# Altium PCB PCB1.PcbDoc (part 1 of 2)
Units mil, origin at the board's own origin, x right, y up, seen from the top; angles counter-clockwise.
Board outline 5905.51 x 3937.01 mil, 4 copper layers (Top Layer, Mid-Layer 1, Mid-Layer 2, Bottom Layer); 107 components, 61 nets, 305 pads, 217 vias.
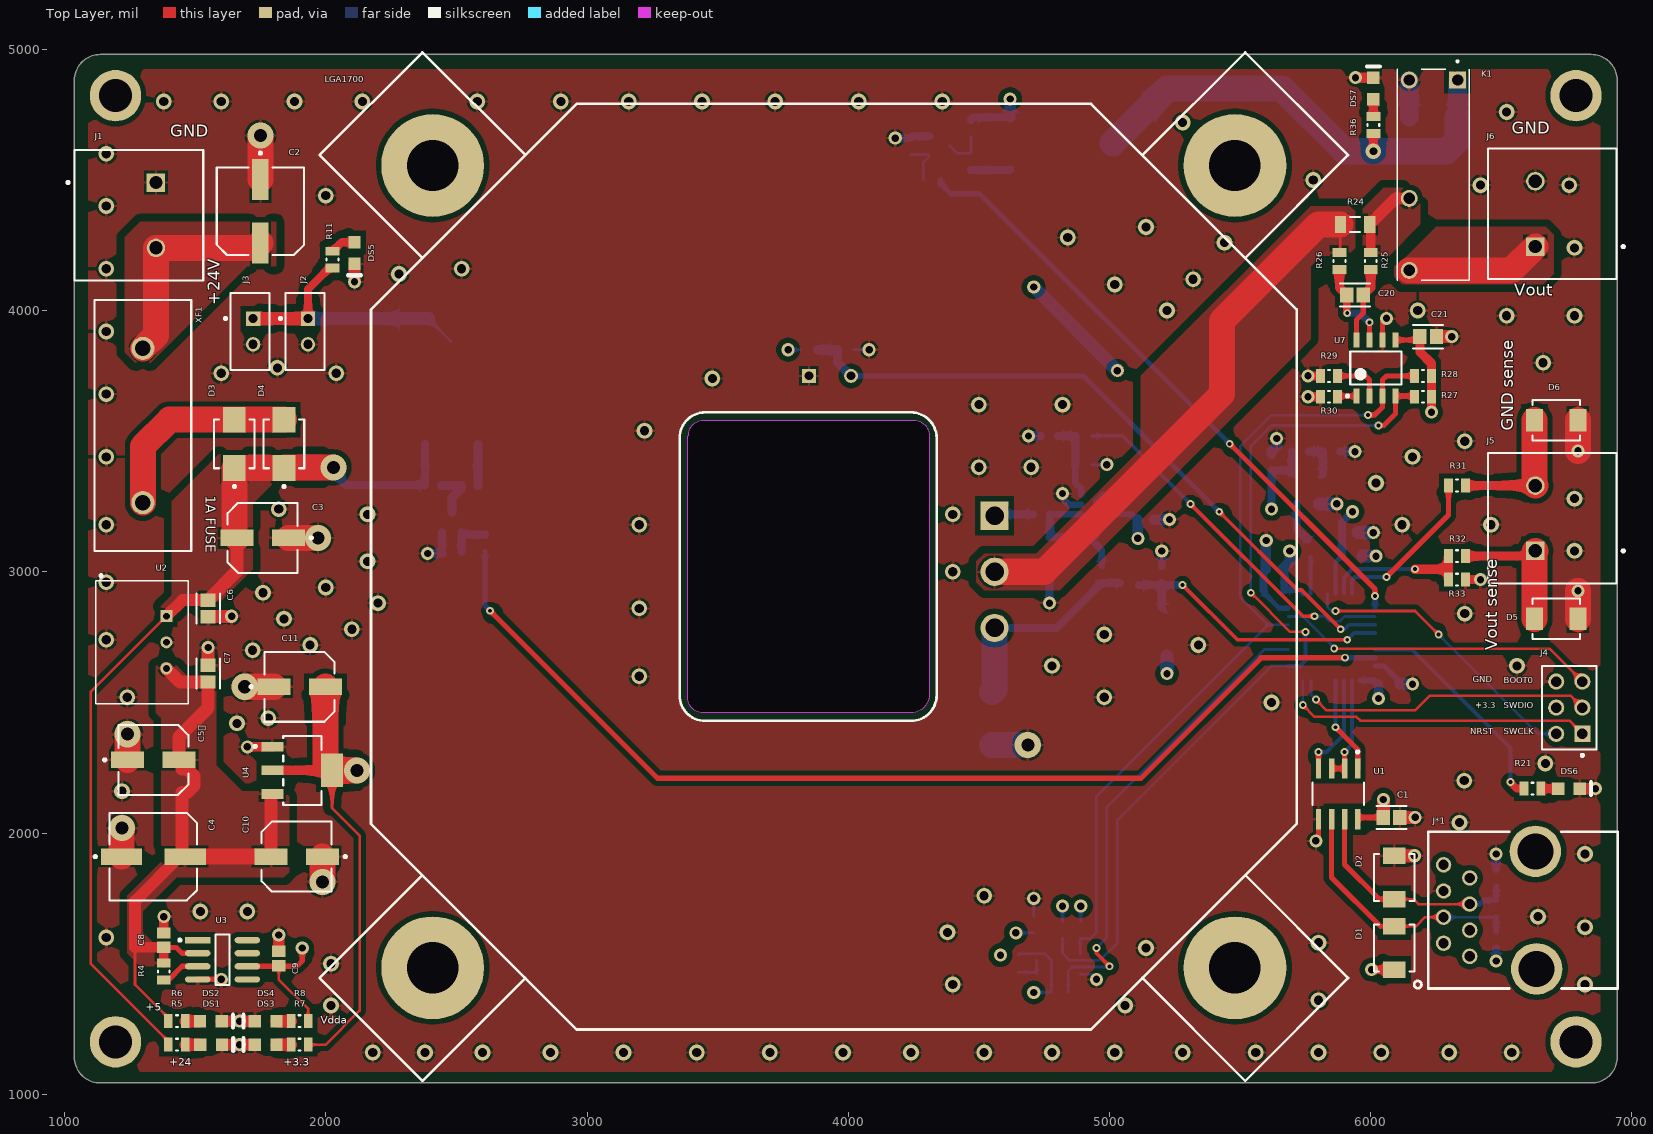
[diagram p0: Top Layer view]
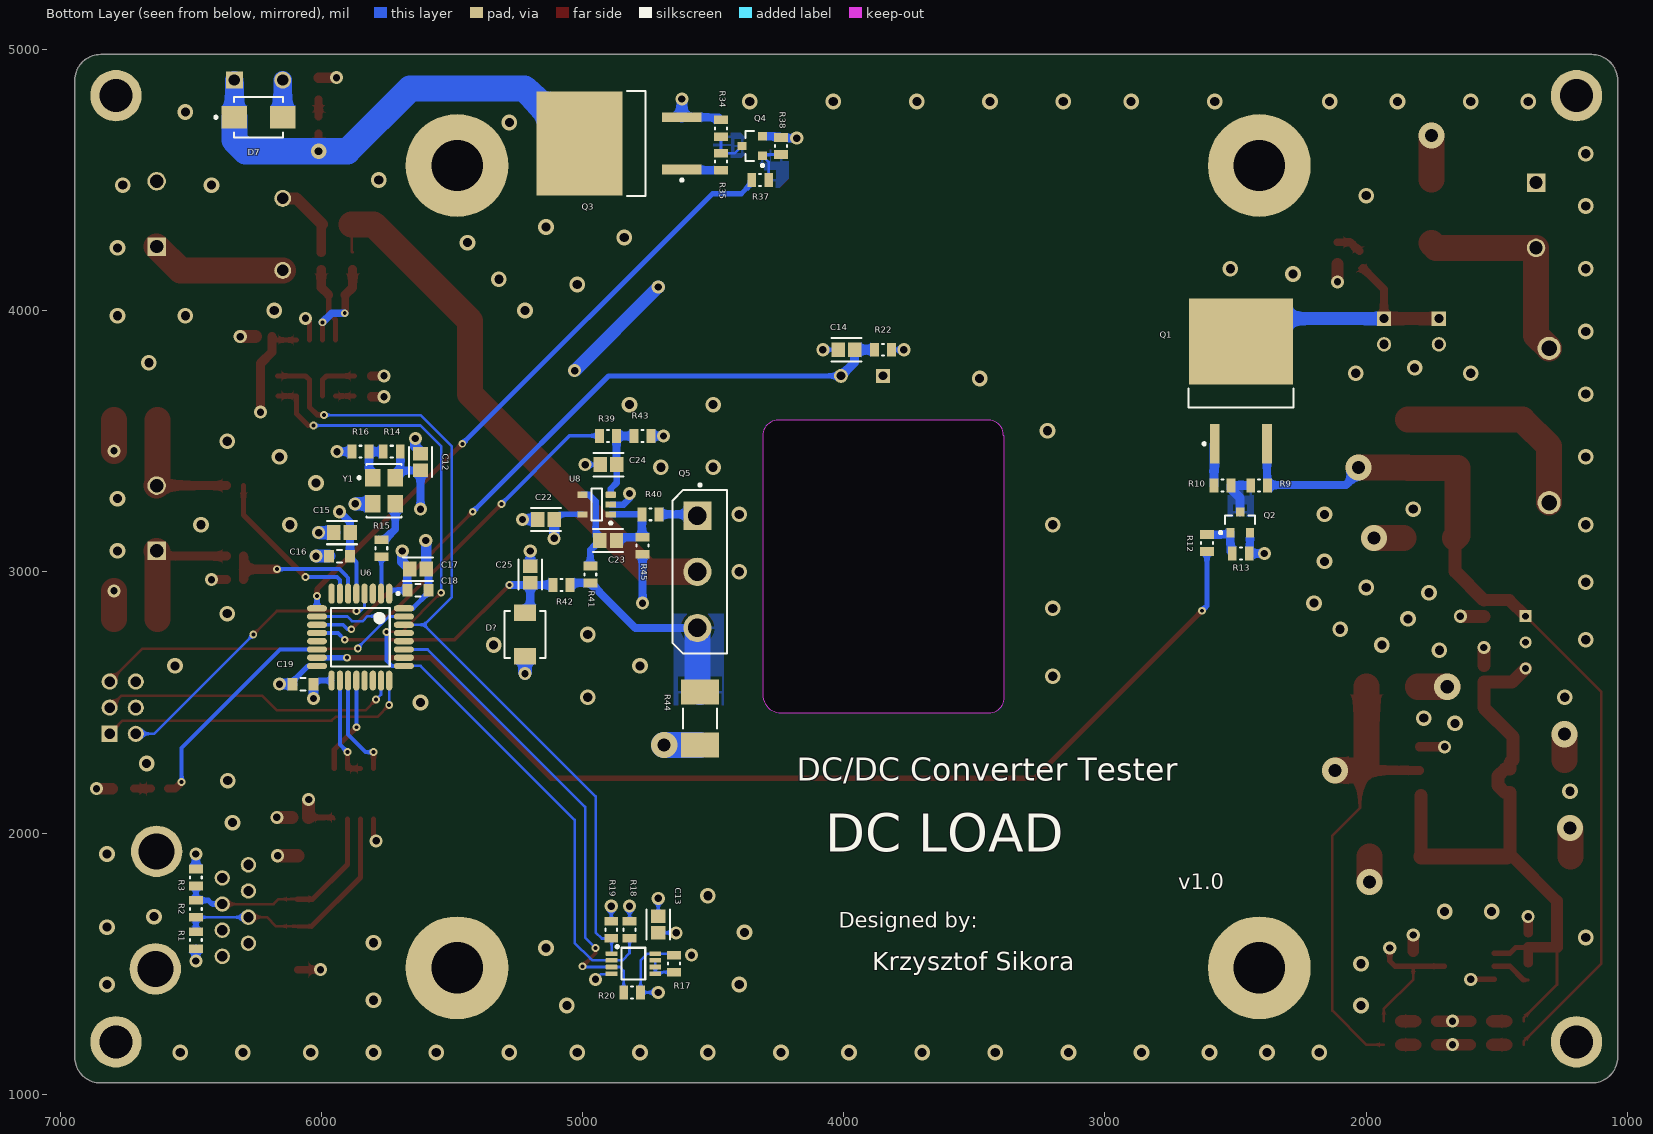
[diagram p1: Bottom Layer view, seen from below]
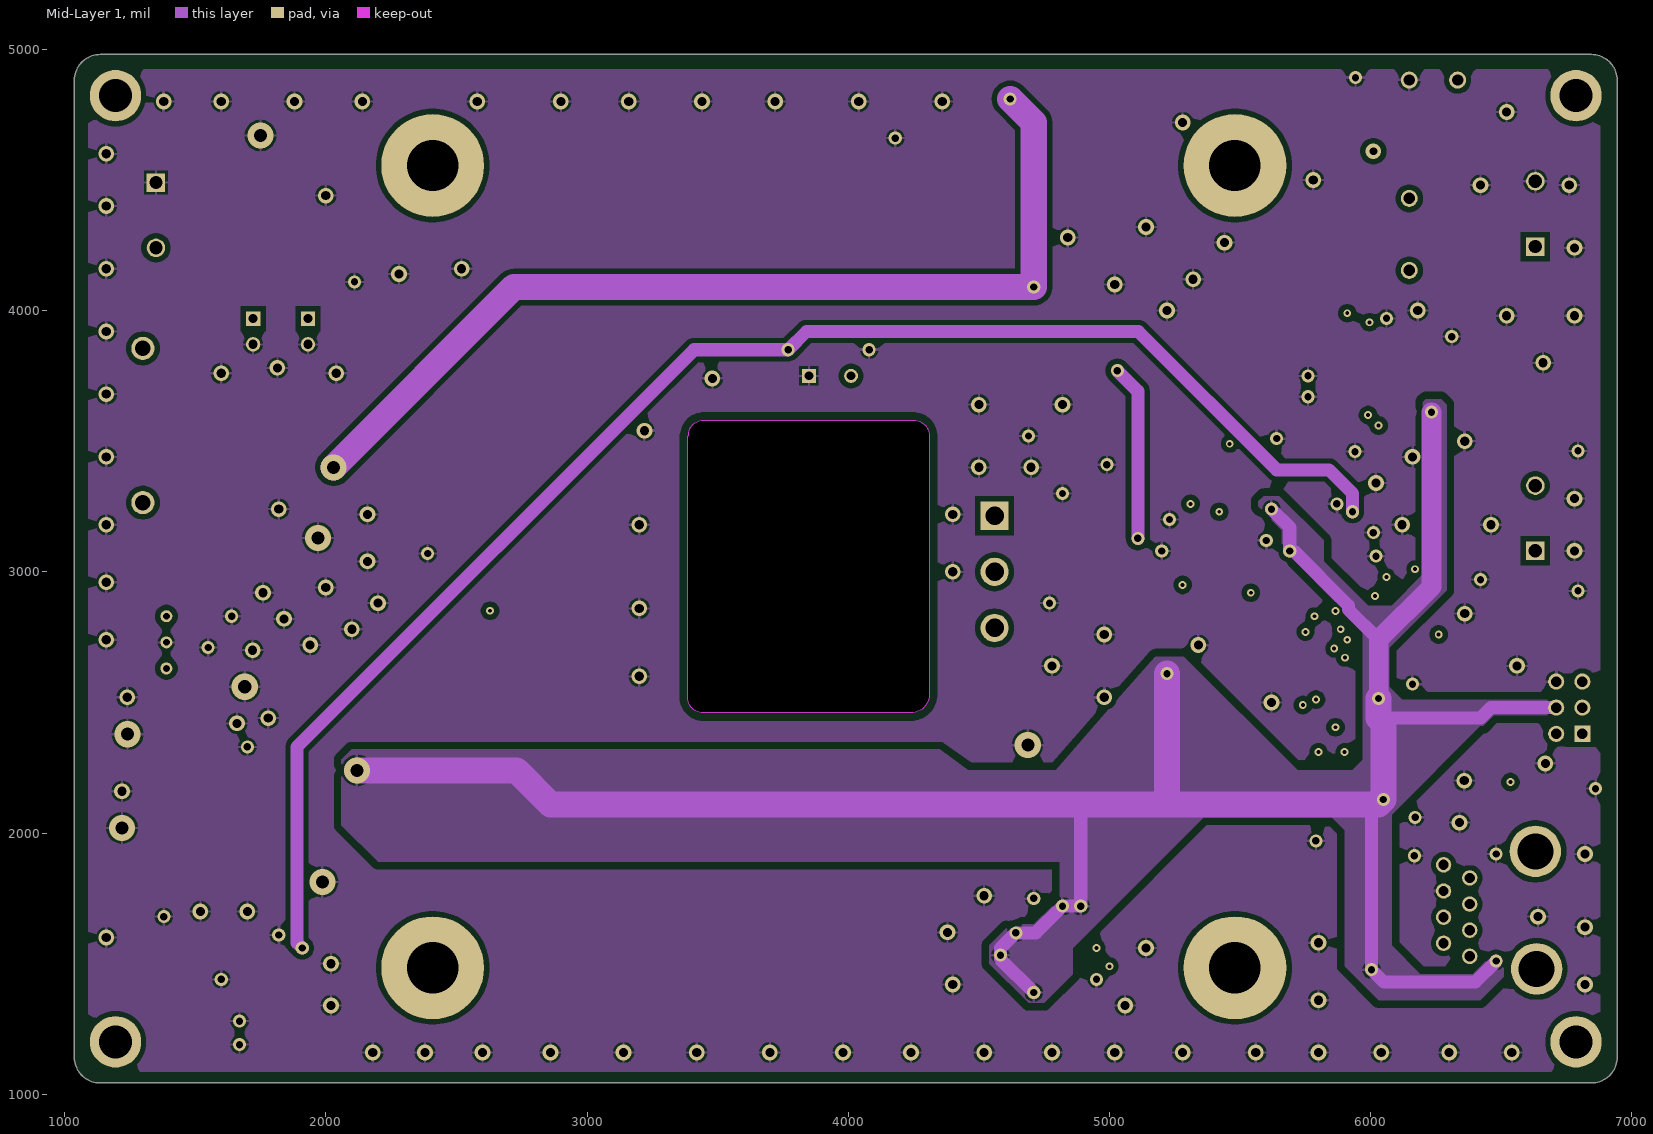
[diagram p2: Mid-Layer 1]
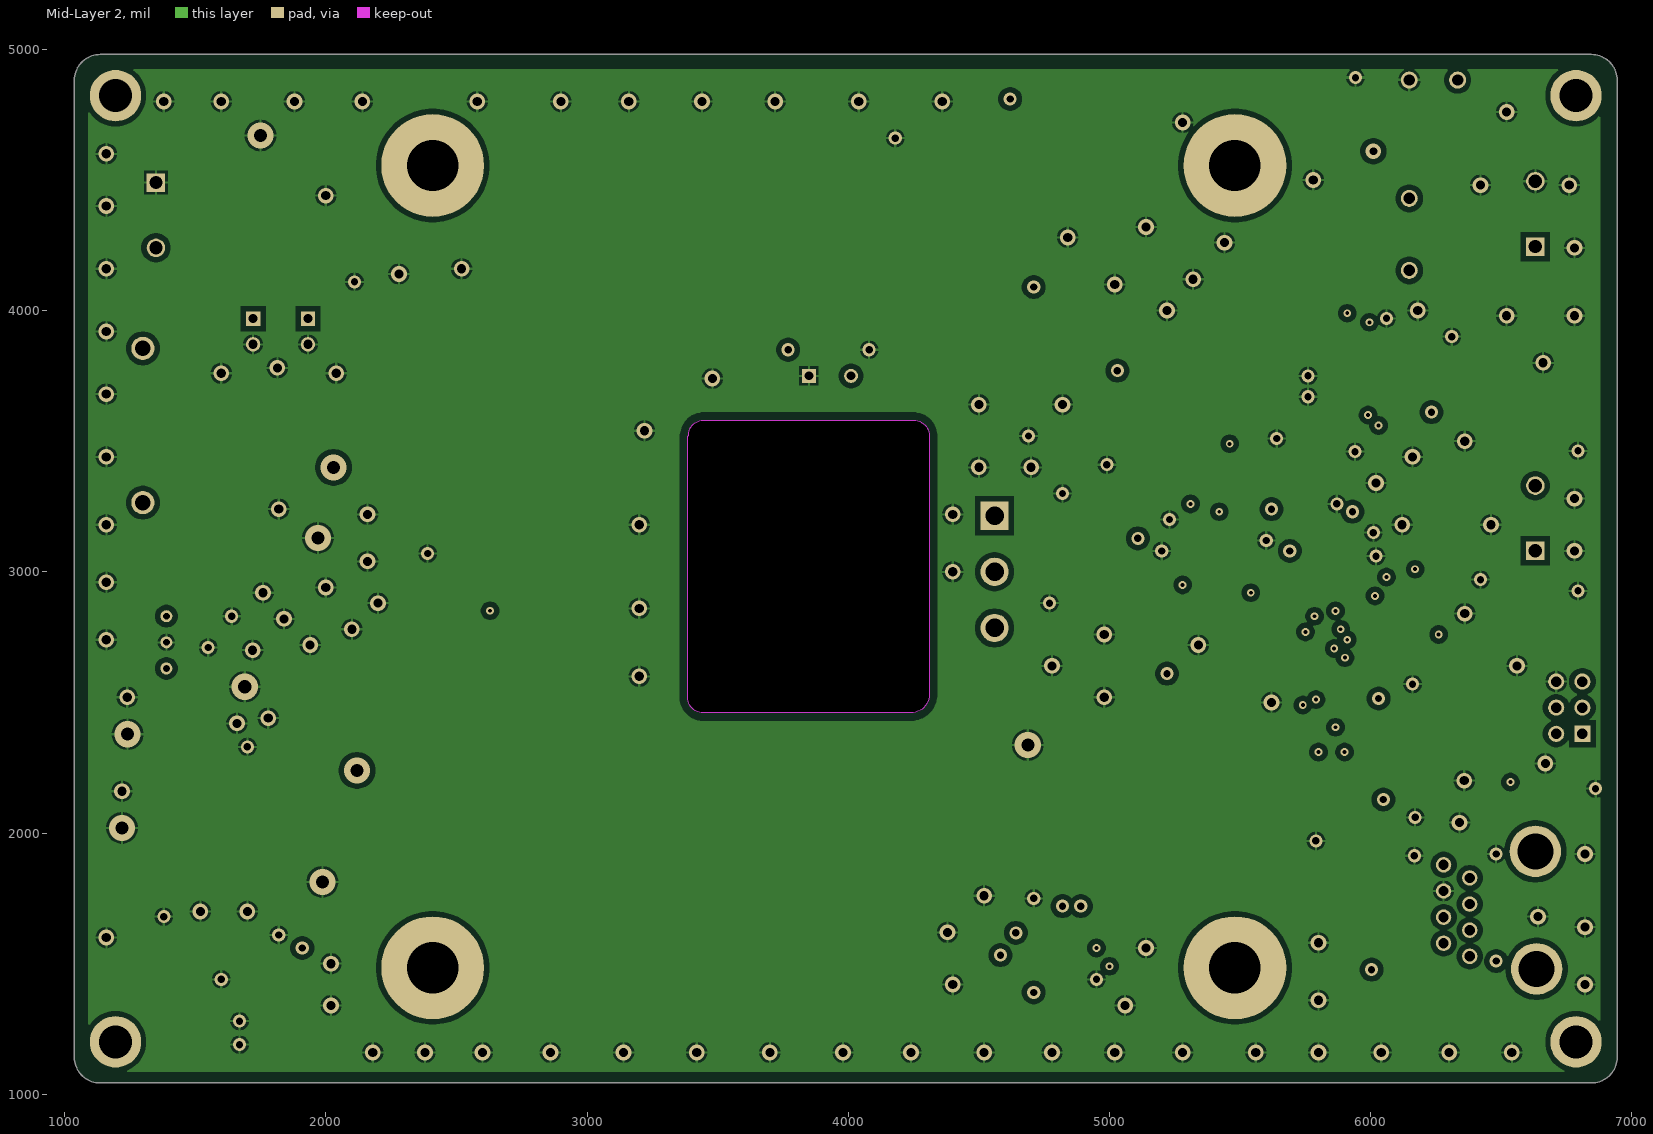
[diagram p3: Mid-Layer 2]
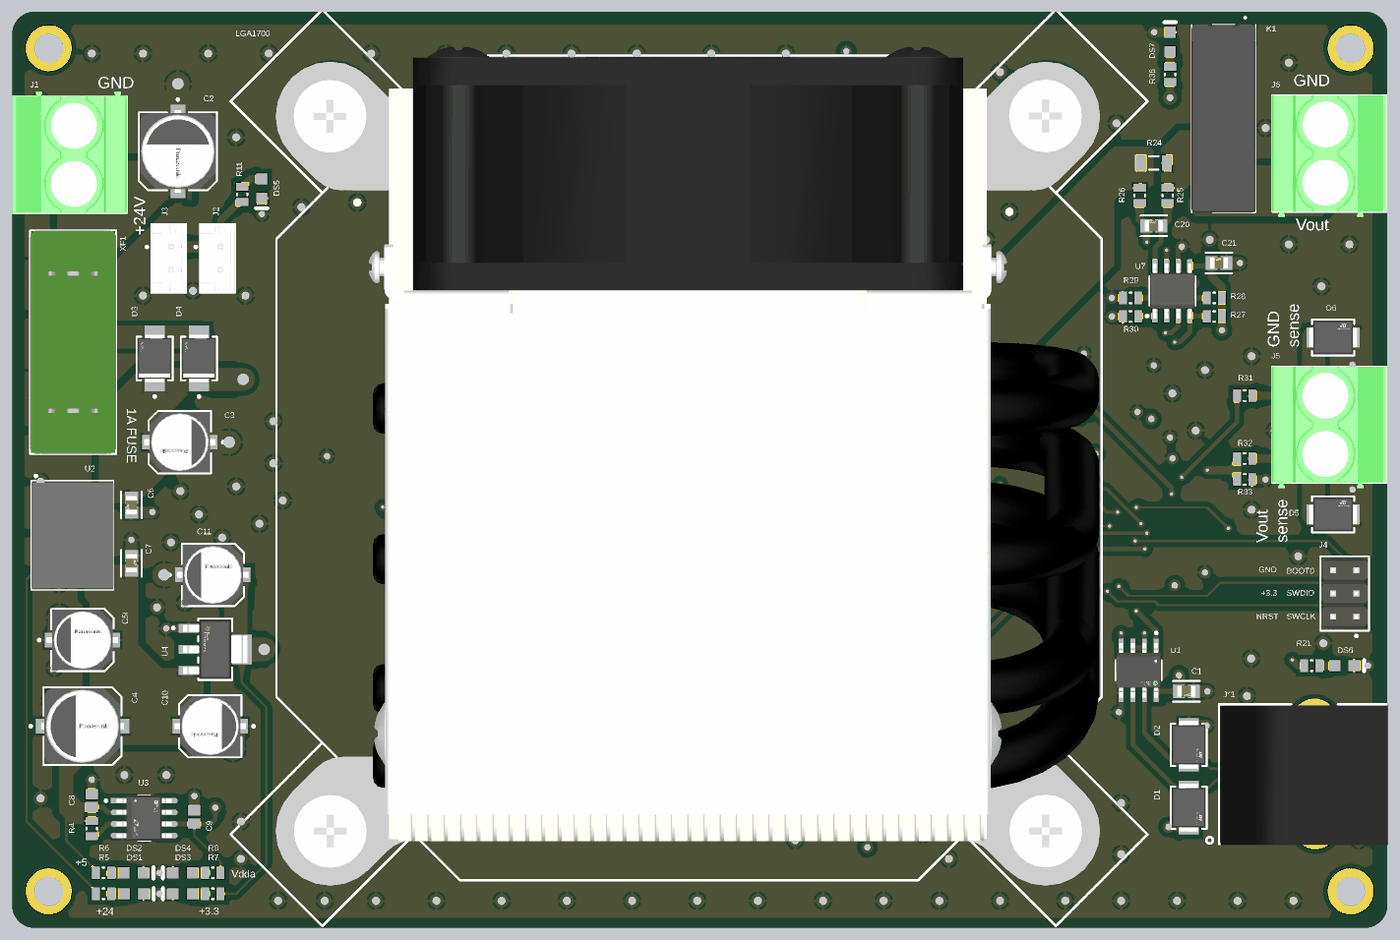
[diagram p5: 3D render of the assembled board from above, using the file's embedded part models]

## Layer stack, top to bottom
Top Solder: solder mask 0.4, Solder Resist, Dk 3.5
Top Layer: signal copper 1.4
Dielectric 1: dielectric 12.6, FR-4, Dk 4.8
Mid-Layer 1: signal copper 1.4
Dielectric2: dielectric 12.6, FR-4, Dk 4.8
Mid-Layer 2: signal copper 1.4
Dielectric3: dielectric 12.6, FR-4, Dk 4.8
Bottom Layer: signal copper 1.4
Bottom Solder: solder mask 0.4, Solder Resist, Dk 3.5

## Board outline
1037.73,1141.71 1037.73,4881.86 cw(c1136.15,4881.86) 1136.15,4980.29 6844.81,4980.29 cw(c6844.81,4881.86) 6943.24,4881.86 6943.24,1141.71 cw(c6844.81,1141.71) 6844.81,1043.28 1136.15,1043.28 cw(c1136.15,1141.71)
cut-out: 3385.2,2519.68 3385.2,3519.68 3388.5,3523.62 cw(c3444.88,3523.62) 3444.88,3580 4250,3580 cw(c4250,3520) 4310,3520 4310,2530 cw(c4240,2530) 4240,2460 3444.88,2460 cw(c3444.88,2519.68)

## Design rules (kind name [scope] priority, off if disabled: settings)
Clearance Clearance_1 [(ExistsOnLayer('Mid-Layer 1') Or ExistsOnLayer('Mid-Layer 2')) vs (ExistsOnLayer('Mid-Layer 1') Or ExistsOnLayer('Mid-Layer 2'))] p1: gap=20 ignorepadtopadclearanceinfootprint=FALSE except(3.5: Arc-Arc Arc-Track Arc-Text Track-Track Track-Text Text-Text; 3.94: Arc-Via Track-Via Via-Text; 5: Arc-SMDPad Track-SMDPad SMDPad-SMDPad SMDPad-Text; 7.87: Arc-Hole Track-Hole Text-Hole; 10: Arc-THPad Track-THPad SMDPad-THPad SMDPad-Via SMDPad-Hole THPad-THPad THPad-Via THPad-Text THPad-Hole Via-Via Via-Hole Fill-Hole Poly-Hole Region-Hole Hole-Hole; 30: Fill-Fill Fill-Poly Fill-Region Poly-Poly Poly-Region Region-Region) sourcerule=44 cellrowname=All cellrowtype=0 cellcolname=All cellcoltype=0 innerlayers=TRUE
Clearance Clearance_2 [(ExistsOnLayer('Top Layer') Or ExistsOnLayer('Bottom Layer')) vs (ExistsOnLayer('Top Layer') Or ExistsOnLayer('Bottom Layer'))] p2: gap=20 ignorepadtopadclearanceinfootprint=FALSE except(3.5: Arc-Arc Arc-Track Arc-Text Track-Track Track-Text Text-Text; 3.94: Arc-Via Track-Via Via-Text; 5: Arc-SMDPad Track-SMDPad SMDPad-SMDPad SMDPad-Text; 7.87: Arc-Hole Track-Hole Text-Hole; 10: Arc-THPad Track-THPad SMDPad-THPad SMDPad-Via SMDPad-Hole THPad-THPad THPad-Via THPad-Text THPad-Hole Via-Via Via-Hole Fill-Hole Poly-Hole Region-Hole Hole-Hole; 30: Fill-Fill Fill-Poly Fill-Region Poly-Poly Poly-Region Region-Region) sourcerule=44 cellrowname=All cellrowtype=0 cellcolname=All cellcoltype=0 outerlayers=TRUE
Clearance [All] p3: gap=10 ignorepadtopadclearanceinfootprint=FALSE ismatrix=TRUE
Height [All] p1: minheight=0 maxheight=10000 prefheight=500
HoleSize [All] p1: absolutevalues=TRUE maxlimit=500 minlimit=1 maxpercent=80.000 minpercent=20.000
MinimumSolderMaskSliver [All] p1: minsoldermaskwidth=3.8
PlaneClearance PowerPlaneClearance_1 [All] p1: clearance=40
PolygonConnect [All] p1: connectstyle=Relief reliefconductorwidth=10 reliefentries=4 polygonreliefangle="90 Angle" airgapwidth=10
RoutingVias 7.874mil [All] p1: holewidth=30 width=60 viastyle="Through Hole" minholewidth=7.87 minwidth=11.81 maxholewidth=200 maxwidth=200
RoutingVias [All] p2: holewidth=28 width=50 viastyle="Through Hole" minholewidth=28 minwidth=50 maxholewidth=28 maxwidth=50
SilkToSolderMaskClearance [IsPad] p1: minsilkscreentomaskgap=5 clearancetoexposedcopper=TRUE
SolderMaskExpansion SolderMaskExpansion_1 [IsVia] p1: expansion=4 istentingtop=TRUE useseparateexpansions=TRUE expansionbottom=4 istentingbottom=TRUE
SolderMaskExpansion [All] p2: expansion=4 istentingtop=FALSE
SupplyNets "Schematic Supply Nets_4" [InNet('GND')] p1: voltage=0.000
SupplyNets "Schematic Supply Nets_3" [InNet('+5')] p2: voltage=0.000
SupplyNets "Schematic Supply Nets_2" [InNet('+3.3')] p3: voltage=0.000
SupplyNets "Schematic Supply Nets_1" [InNet('VDDA')] p4: voltage=0.000
SupplyNets "Schematic Supply Nets" [InNet('+24')] p5: voltage=0.000
Width MaxMinWidth_1 [All] p1: maxlimit=100 minlimit=3.5 preferedwidth=10 bottomlayer_minwidth=10 minimp=50.000000 maximp=50.000000 favimp=50.000000
Width [All] p2: maxlimit=10 minlimit=10 preferedwidth=10
25 further rules are at their usual default settings.

## Classes and differential pairs
component class Designator: C1 D1 D2 J*1 R1 R2 R3 U1

## Components (designator, comment, footprint, x,y, rotation, side; value= is the part's Value field where it differs from the comment)
C1 "100nF" FP-0805-L_2_01_0_2-W_1_25-IPC_B 6080,2060 r0 top
C2 "22uF" FP-FCE-MFG 1750,4380 r270 top
C3 "10uF" FP-FKD-MFG 1758.43,3130 r180 top
C4 "22uF" FP-FCE-MFG 1340,1910 r0 top
C5 "10uF" FP-FKD-MFG 1340,2280 r0 top (schematic designator C5)
C6 "100nF" FP-0805-L_2_01_0_2-W_1_25-IPC_B 1550,2860 r270 top
C7 "100nF" FP-0805-L_2_01_0_2-W_1_25-IPC_B 1550,2610 r90 top
C8 "1uF" CAPC2013X140X50LL20T25 1380,1590 r270 top
C9 "2uF" CAPC2013X140X50LL20T25 1820,1520 r270 top
C10 "1uF" FP-FKD-MFG 1888.43,1910 r180 top
C11 "2.2uF" FP-FKD-MFG 1900,2560 r0 top
C12 "10nF" FP-0805-L_2_01_0_2-W_1_25-IPC_B 5620,3420 r90 bottom
C13 "100nF" FP-0805-L_2_01_0_2-W_1_25-IPC_B 4710,1650 r90 bottom
C14 "100p" FP-0805-L_2_01_0_2-W_1_25-IPC_B 3990,3850 r0 bottom
C15 "2.2uF" FP-0805-L_2_01_0_2-W_1_25-IPC_B 5920,3150 r0 bottom
C16 "100nF" FP-CGA3E-0_3-0_1-IPC_A 5930,3060 r0 bottom
C17 "2.2uF" FP-0805-L_2_01_0_2-W_1_25-IPC_B 5630,3010 r180 bottom
C18 "100nF" FP-CGA3E-0_3-0_1-IPC_A 5630,2930 r180 bottom
C19 "100nF" FP-CGA3E-0_3-0_1-IPC_A 6070,2570 r0 bottom
C20 "100nF" FP-0805-L_2_01_0_2-W_1_25-IPC_B 5940,4060 r180 top
C21 "100nF" FP-0805-L_2_01_0_2-W_1_25-IPC_B 6220,3900 r180 top
C22 "100nF" FP-0805-L_2_01_0_2-W_1_25-IPC_B 5140,3200 r0 bottom
C23 "4.7n" FP-0805-L_2_01_0_2-W_1_25-IPC_B 4901.72,3120 r0 bottom
C24 "10n" FP-0805-L_2_01_0_2-W_1_25-IPC_B 4900,3410 r0 bottom
C25 "100p" FP-0805-L_2_01_0_2-W_1_25-IPC_B 5200,2990 r90 bottom
D1 "TVS" FP-SMB-MFG 6090,1560 r270 top
D2 "TVS" FP-SMB-MFG 6090,1830 r270 top
D3 "MBRS130L" FP-403AF-MFG 1650,3490 r90 top
D4 "MBRS130L" FP-403AF-MFG 1840,3490 r90 top
D5 "TVS" FP-SMB-MFG 6710,2820 r0 top
D6 "TVS" FP-SMB-MFG 6710,3580 r0 top
D7 "MBRS130L" FP-403AF-MFG 6240,4740 r180 bottom
D? "TVS" FP-SMB-MFG 5220,2760 r270 bottom
DS1 "LED" AVAG-HSMX-C170_V 1561.34,1190 r0 top
DS2 "LED" AVAG-HSMX-C170_V 1560,1280 r0 top
DS3 "LED" AVAG-HSMX-C170_V 1770,1190 r180 top
DS4 "LED" AVAG-HSMX-C170_V 1770,1280 r180 top
DS5 "LED" AVAG-HSMX-C170_V 2110,4220 r270 top
DS6 "LED" AVAG-HSMX-C170_V 6758.66,2170 r0 top
DS7 "LED" AVAG-HSMX-C170_V 6010,4850 r90 top
J1 "1714955" PHOE-1714955_V 1350,4365 r270 top
J2 "JST" FP-B2B-EH-A_LF_SN-MFG 1920,3920 r270 top
J3 "JST" FP-B2B-EH-A_LF_SN-MFG 1710,3920 r270 top
J4 "M20-9980346" FP-M20-9980346-MFG 6760,2480 r90 top
J5 "1714955" PHOE-1714955_V 6630,3205 r90 top
J6 "1714955" PHOE-1714955_V 6630,4370 r90 top
J*1 "MTJ-880X1" MTJ-880X1 6580,1680 r90 top
K1 "HF46F_24-HS1" RELAY_HF46F_005-HS1 6240,4520 r270 top
LGA1700 "Intel heatsink" "INTEL HEATSINK MOUNT" 5519.61,1445 r90 top locked (schematic designator J7)
Q1 "IPB80P03P4-05" INF-PG-TO263-3-2_N 2480,3730.16 r90 bottom
Q2 "MMBTA42LT1G" ONSC-SOT-23-3-318-08_V 2482.6,3189.37 r90 bottom
Q3 "IPB80P03P4-05" INF-PG-TO263-3-2_N 4860,4640 r0 bottom
Q4 "MMBTA42LT1G" ONSC-SOT-23-3-318-08_V 4350,4630 r0 bottom
Q5 "IRFP240PBF" FP-E19-0614-MFG 4550.65,3000 r180 bottom
R1 "680" RESC2013X50X30LL20T20 6480,1590 r270 bottom
R2 "120" RESC2013X50X30LL20T20 6480,1710 r270 bottom
R3 "680" RESC2013X50X30LL20T20 6480,1830 r270 bottom
R4 "10k" RESC2013X50X30LL20T20 1380,1470 r90 top
R5 "2.2k" RESC2013X50X30LL20T20 1430,1190 r180 top
R6 "470" RESC2013X50X30LL20T20 1430,1280 r180 top
R7 "330" RESC2013X50X30LL20T20 1900,1190 r0 top
R8 "330" RESC2013X50X30LL20T20 1900,1280 r0 top
R9 "10k" RESC2013X50X30LL20T20 2410,3330 r180 bottom
R10 "1k" RESC2013X50X30LL20T20 2550,3330 r0 bottom
R11 "2.2k" RESC2013X50X30LL20T20 2025.79,4195 r270 top
R12 "1k" RESC2013X50X30LL20T20 2610,3110 r90 bottom
R13 "100k" RESC2013X50X30LL20T20 2480,3070 r0 bottom
R14 "100k" RESC2013X50X30LL20T20 5730,3460 r180 bottom
R15 "100" RESC2013X50X30LL20T20 5770,3090 r270 bottom
R16 "100k" RESC2013X50X30LL20T20 5850,3460 r180 bottom
R17 "10k" RESC2013X50X30LL20T20 4650,1500 r90 bottom
R18 "10k" RESC2013X50X30LL20T20 4820,1630 r90 bottom
R19 "10k" RESC2013X50X30LL20T20 4890,1630 r90 bottom
R20 "10k" RESC2013X50X30LL20T20 4810,1390 r180 bottom
R21 "330" RESC2013X50X30LL20T20 6618.66,2170 r180 top
R22 "10k" RESC2013X50X30LL20T20 3850,3850 r180 bottom
R24 "100m" RESC3216X70X50NL05T20 5940,4330 r180 top
R25 "10" RESC2013X50X30LL20T20 6000,4190 r90 top
R26 "10" RESC2013X50X30LL20T20 5880,4190 r90 top
R27 "4.7k" RESC2013X50X30LL20T20 6200,3670 r0 top
R28 "4.7k" RESC2013X50X30LL20T20 6200,3750 r0 top
R29 "0" RESC2013X50X30LL20T20 5840,3750 r0 top
R30 "0" RESC2013X50X30LL20T20 5840,3670 r0 top
R31 "10k" RESC2013X50X30LL20T20 6330,3330 r0 top
R32 "100k" RESC2013X50X30LL20T20 6330,3060 r180 top
R33 "10k" RESC2013X50X30LL20T20 6330,2970 r0 top
R34 "10k" RESC2013X50X30LL20T20 4470,4697.52 r90 bottom
R35 "1k" RESC2013X50X30LL20T20 4470,4570 r270 bottom
R36 "2.2k" RESC2013X50X30LL20T20 6010,4710 r270 top
R37 "1k" RESC2013X50X30LL20T20 4320,4500 r180 bottom
R38 "100k" RESC2013X50X30LL20T20 4240,4630 r270 bottom
R39 "110k" RESC2013X50X30LL20T20 4902.48,3520 r0 bottom
R40 "10" RESC2013X50X30LL20T20 4740,3220 r0 bottom
R41 "1k" RESC2013X50X30LL20T20 4970,2990 r90 bottom
R42 "10k" RESC2013X50X30LL20T20 5080,2950 r180 bottom
R43 "10k" RESC2013X50X30LL20T20 4770,3520 r0 bottom
R44 "100m" FP-CRM2512-MFG 4550,2438.62 r90 bottom value=100mΩ
R45 "10k" RESC2013X50X30LL20T20 4770,3100 r90 bottom
U1 "MAX3485EESA+" FP-S8-5-MFG 5875,2150 r270 top
U2 "AMSRI1-7805-NZ" SIP750W46P254L1400H1010Q3 1320,2830 r270 top
U3 "LT1461CCS8-3.3#PBF" FP-S8-8-05-08-1610-IPC_A 1605,1515 r0 top
U4 "TLV76133" FP-DCY0004A-MFG 1910,2240 r0 top
U6 "STM32F303K8T6" STM-LQFP32_M 5850,2750 r270 bottom
U7 "INA219AID" D0008A_N 6020,3780 r90 top
U8 "OPA237NA/250" DBV0005A_N 4945.87,3257.4 r0 bottom
XF1 "Fuse 1A" 696106003002 1300,3560 r270 top
Y1 "ASFL1-8.000MHZ-EK-T" FP-ASFL1-MFG 5760,3310 r270 bottom
